# KiCad board ecp5.kicad_pcb (continued)
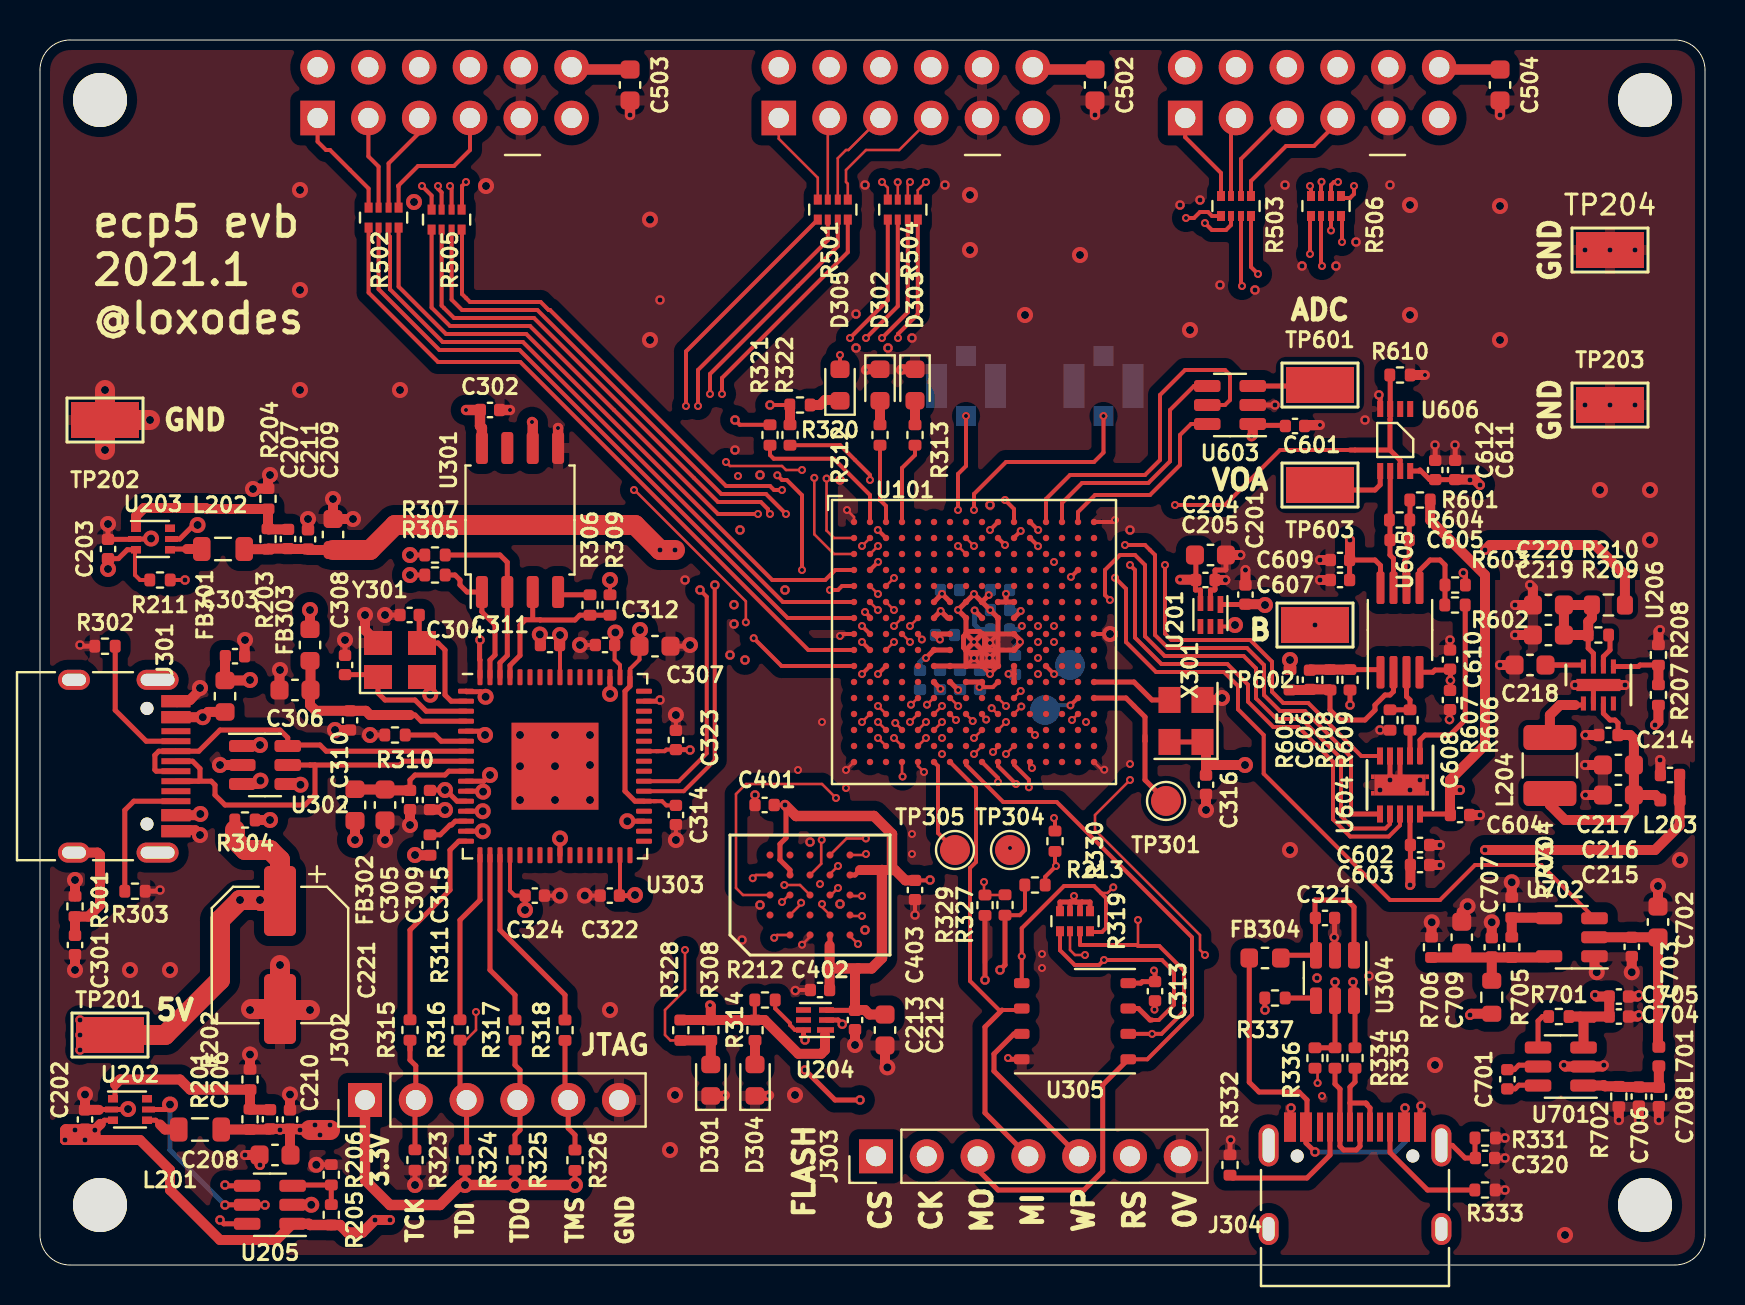
[diagram p0: board, top side]
## Footprints (pads in the part's own frame, mm; a bottom-side part is the same pattern mirrored in y, then rotated) (continued)
SOT-23-5
  rrect 1.325x0.6 smd: 1(-1.137,0.95) 2(-1.137,0) 3(-1.137,-0.95) 4(1.137,-0.95) 5(1.137,0.95)
SOT-23-6
  rrect 1.325x0.6 smd: 1(-1.137,0.95) 2(-1.137,0) 3(-1.137,-0.95) 4(1.137,-0.95) 5(1.137,0) 6(1.137,0.95)
SOT-666
  rect 0.5x0.375 smd: 1(-0.85,0.537) 3(-0.85,-0.537) 4(0.85,-0.537) 6(0.85,0.537)
  rect 0.65x0.3 smd: 2(-0.925,0) 5(0.925,0)
TestPoint_Keystone_5015_Micro-Minature
  rect 3.4x1.8 smd: 1(0,0)
TestPoint_Pad_D1.5mm
  round 1.5 smd: 1(0,0)
TSOT-23-6
  rrect 1.325x0.6 smd: 1(-1.137,0.95) 2(-1.137,0) 3(-1.137,-0.95) 4(1.137,-0.95) 5(1.137,0) 6(1.137,0.95)
U.FL_Molex_MCRF_73412-0110_Vertical
  rect 1x1 smd: 1(0,-1.5) 2(0,1.5)
  rect 1.05x2.2 smd: 2(-1.475,0) 2(1.475,0)
USB_C_Receptacle_HRO_TYPE-C-31-M-12
  round 0.65 hole 0.65 unplated: (-2.89,2.6) (2.89,2.6)
  rect 0.6x1.45 smd: A1(-3.25,4.045) A4(-2.45,4.045) A9(2.45,4.045) A12(3.25,4.045) B1(3.25,4.045) B4(2.45,4.045) B9(-2.45,4.045) B12(-3.25,4.045)
  rect 0.3x1.45 smd: A5(-1.25,4.045) A6(-0.25,4.045) A7(0.25,4.045) A8(1.25,4.045) B5(1.75,4.045) B6(0.75,4.045) B7(-0.75,4.045) B8(-1.75,4.045)
  oval 1x2.1 hole 0.6x1.7: S1(-4.32,3.13) S1(4.32,3.13)
  oval 1x1.6 hole 0.6x1.2: S1(-4.32,-1.05) S1(4.32,-1.05)
VSSOP-8
  rect 0.3x0.8 smd: 1(-0.75,-1.55) 2(-0.25,-1.55) 3(0.25,-1.55) 4(0.75,-1.55) 5(0.75,1.55) 6(0.25,1.55) 7(-0.25,1.55) 8(-0.75,1.55)
WSON-6_1.5x1.5mm_P0.5mm
  rect 0.85x0.28 smd: 1(-0.525,0.5)
  rect 0.75x0.28 smd: 2(-0.575,0) 3(-0.575,-0.5) 4(0.575,-0.5) 5(0.575,0) 6(0.575,0.5)
WSON-8-1EP_6x5mm_P1.27mm_EP3.4x4mm
  rrect 0.775x0.5 smd: 1(-2.663,1.905) 2(-2.663,0.635) 3(-2.663,-0.635) 4(-2.663,-1.905) 5(2.663,-1.905) 6(2.663,-0.635) 7(2.663,0.635) 8(2.663,1.905)

## Nets
1V2EN: R211.2 U203.5 U205.6
3V3EN: R212.2 U201.6 U202.5 U204.6 U205.5
+1V1: C207.1 C209.1 C211.1 C224.1 C225.1 L202.2 R203.2 U101.G6 U101.G7 U101.G9 U101.L8 U101.L9 U101.L10
+1V8: C212.1 C213.1 C401.1 C402.1 C403.1 C404.1 U101.J6 U101.J7 U204.3 U401.B4 U401.D1 U401.E4
+1V8_FT: C307.1 C314.1 C315.1 U303.12 U303.37 U303.49 U303.64
+2V5: C204.1 C205.1 C222.1 C223.1 U101.G11 U101.L7 U201.3
+3V3: C201.1 C206.1 C208.1 C210.1 C214.1 C302.1 C311.1 C312.1 C313.1 C316.1 C317.1 C318.1 C319.1 C322.1 C323.1 C324.1 C501.1 C502.2 C503.2 C504.2 C601.1 C613.2 D305.2 FB302.1 FB303.1 J302.1 J501.6 J501.12 J502.6 J502.12 J503.6 J503.12 L201.2 L203.2 R201.2 R212.1 R213.1 R305.1 R307.1 R308.1 R309.1 R311.2 R314.1 R319.1 R319.2 R319.3 R319.4 R324.2 R325.2 R326.2 R328.1 R330.1 U101.F6 U101.F7 U101.F10 U101.F11 U101.H6 U101.H7 U101.K11 U101.L6 U101.L11 U201.1 U204.1 U301.6 U301.8 U303.20 U303.31 U303.42 U303.50 U303.56 U305.8 U603.1 X301.1 X301.4
+5V: C202.1 C203.1 C221.1 C602.2 C603.2 C611.2 C612.2 C704.2 C705.2 R205.2 R207.1 R211.1 R304.2 R337.2 R701.1 TP201.1 U202.3 U203.3 U205.1 U604.9 U606.8 U701.3
+15V: C607.2 C609.2 R210.2 U605.8
-5V: C608.2 C610.2 R705.2 U605.4
GND: C201.2 C202.2 C203.2 C204.2 C205.2 C208.2 C209.2 C210.2 C211.2 C212.2 C213.2 C214.2 C215.2 C216.2 C217.2 C218.2 C219.2 C220.2 C221.2 C222.2 C223.2 C224.2 C225.2 C301.2 C302.2 C303.2 C304.2 C305.2 C306.2 C307.2 C308.2 C309.2 C310.2 C311.2 C312.2 C313.2 C314.2 C315.2 C316.2 C317.2 C318.2 C319.2 C320.2 C321.2 C322.2 C323.2 C324.2 C401.2 C402.2 C403.2 C404.2 C501.2 C502.1 C503.1 C504.1 C601.2 C602.1 C603.1 C604.1 C607.1 C608.1 C609.1 C610.1 C611.1 C612.1 C613.1 C702.2 C703.2 C704.1 C705.1 C706.1 C707.2 C708.1 C709.2 D301.1 D302.1 D303.1 D304.1 J301.A1 J301.A12 J301.B1 J301.B12 J302.6 J303.7 J304.A1 J304.A12 J304.B1 J304.B12 J501.5 J501.11 J502.5 J502.11 J503.5 J503.11 J601.2 J602.2 R202.1 R204.1 R206.1 R208.2 R301.2 R302.1 R303.1 R310.2 R323.2 R329.1 R331.2 R332.1 R333.1 R603.1 R607.1 R610.2 R702.2 R704.2 R706.2 TP202.1 TP203.1 TP204.1 U101.A1 U101.A16 U101.D2 U101.D15 U101.F8 U101.F9 U101.G8 U101.G10 U101.H1 U101.H8 U101.H9 U101.H10 U101.H11 U101.H16 U101.J8 U101.J9 U101.J10 U101.J11 U101.K6 U101.K7 U101.K8 U101.K9 U101.K10 U101.N2 U101.N10 U101.N15 U101.R10 U101.T1 U101.T5 U101.T12 U101.T16 U201.2 U202.2 U203.2 U204.2 U205.2 U206.2 U206.9 U301.5 U302.2 U303.1 U303.5 U303.10 U303.11 U303.13 U303.15 U303.25 U303.35 U303.47 U303.51 U303.65 U304.2 U305.4 U401.B3 U401.C1 U401.E5 U603.2 U604.3 U604.4 U604.11 U606.4 U701.2 U702.1 X301.2 Y301.2 Y301.4
VSS: C702.1 C703.1 L701.1 U702.2
/bias/ADC_SCK: U101.A14 U603.4
/bias/ADC_SDO: U101.A13 U603.5
/bias/DAC_DIN: U101.A12 U604.8
/bias/DAC_EN: R610.1 U101.A11 U606.3 U606.7
/bias/DAC_SCLK: U101.A10 U604.7
/bias/DAC_VREF: C604.2 R601.2 R605.2 U604.10
/bias/DAC_~{CLR}: U101.B11 U604.5
/bias/DAC_~{SYNC}: U101.B10 U604.6
/bias/SYNTH_VT_CS: U101.A15 U603.6
/bias/VOUTA: R602.2 U604.1
/bias/VOUTB: R606.2 U604.2
/pmod/P1A1: R501.1 U101.K1
/pmod/P1A1x: J501.1 R501.8
/pmod/P1A2: R501.2 U101.J3
/pmod/P1A2x: J501.2 R501.7
/pmod/P1A3: R501.3 U101.F2
/pmod/P1A3x: J501.3 R501.6
/pmod/P1A4: R501.4 U101.E3
/pmod/P1A4x: J501.4 R501.5
/pmod/P1A7: R504.1 U101.K2
/pmod/P1A7x: J501.7 R504.8
/pmod/P1A8: R504.2 U101.K3
/pmod/P1A8x: J501.8 R504.7
/pmod/P1A9: R504.3 U101.E1
/pmod/P1A9x: J501.9 R504.6
/pmod/P1A10: R504.4 U101.F3
/pmod/P1A10x: J501.10 R504.5
/pmod/P1B1: R502.1 U101.J1
/pmod/P1B1x: J502.1 R502.8
/pmod/P1B2: R502.2 U101.G1
/pmod/P1B2x: J502.2 R502.7
/pmod/P1B3: R502.3 U101.F1
/pmod/P1B3x: J502.3 R502.6
/pmod/P1B4: R502.4 U101.D1
/pmod/P1B4x: J502.4 R502.5
/pmod/P1B7: R505.1 U101.J2
/pmod/P1B7x: J502.7 R505.8
/pmod/P1B8: R505.2 U101.H2
/pmod/P1B8x: J502.8 R505.7
/pmod/P1B9: R505.3 U101.G2
/pmod/P1B9x: J502.9 R505.6
/pmod/P1B10: R505.4 U101.E2
/pmod/P1B10x: J502.10 R505.5
/pmod/P2_1: R503.5 U101.C1
/pmod/P2_1x: J503.4 R503.1
/pmod/P2_2: R503.6 U101.B1
/pmod/P2_2x: J503.3 R503.2
/pmod/P2_3: R503.7 U101.H5
/pmod/P2_3x: J503.2 R503.3
/pmod/P2_4: R503.8 U101.G5
/pmod/P2_4x: J503.1 R503.4
/pmod/P2_7: R506.8 U101.C2
/pmod/P2_7x: J503.10 R506.1
/pmod/P2_8: R506.7 U101.B2
/pmod/P2_8x: J503.9 R506.2
/pmod/P2_9: R506.6 U101.H4
/pmod/P2_9x: J503.8 R506.3
/pmod/P2_10: R506.5 U101.G4
/pmod/P2_10x: J503.7 R506.4
/power/PGOOD: R205.1 R206.2 U205.3
/prog/DONE: D301.2 R308.2 R328.2 U101.P9
/prog/FLASH_CS: J303.1 R319.8 U101.N8 U305.1
/prog/FLASH_MISO|IO1: J303.4 U101.T7 U305.2
/prog/FLASH_MOSI|IO0: J303.3 U101.T8 U305.5
/prog/FLASH_SCK: J303.2 R319.7 U101.N9 U305.6
/prog/FLASH_~{HLD}|~{RST}|IO3: J303.6 R319.5 U101.N7 U305.7
/prog/FLASH_~{WP}|IO2: J303.5 R319.6 U101.M7 U305.3
/prog/FT_EECS: R305.2 U301.1 U303.63
/prog/PROGRAMn: R327.1 R329.2 U101.R9
/prog/RXD_UART: R322.1 U101.B3
/prog/TXD_UART: R321.1 U101.A2
/prog/USR_1: R312.1 U101.A3
/prog/USR_2: R313.1 U101.A4
/ram/HRAM_CLK: U101.N5 U401.B2
/ram/HRAM_CLK#: U101.N6 U401.B1
/ram/HRAM_CS: U101.R4 U401.A3
/ram/HRAM_DQ0: U101.P4 U401.D3
/ram/HRAM_DQ1: U101.R3 U401.D2
/ram/HRAM_DQ2: U101.P5 U401.C4
/ram/HRAM_DQ3: U101.T4 U401.D4
/ram/HRAM_DQ4: U101.P6 U401.D5
/ram/HRAM_DQ5: U101.R5 U401.E3
/ram/HRAM_DQ6: U101.M5 U401.E2
/ram/HRAM_DQ7: U101.M6 U401.E1
/ram/HRAM_RST: U101.N3 U401.A4
/ram/HRAM_RWDS: U101.P3 U401.C3
M5V_EN: U101.B12 U702.3
~{FPGA_RESET}: R213.2 R327.2 U205.4
Net-(C206-Pad2): C206.2 R201.1 R202.2 U202.1
Net-(C207-Pad2): C207.2 R203.1 R204.2 U203.1
Net-(C215-Pad1): C215.1 C216.1 C217.1 L203.1 L204.1 U206.3
Net-(C218-Pad1): C218.1 U206.8
Net-(C219-Pad1): C219.1 C220.1 R209.1 R210.1 U206.7
Net-(C301-Pad1): C301.1 J301.S1 R301.1
Net-(C303-Pad1): C303.1 FB301.2 U302.1 U302.3
Net-(C304-Pad1): C304.1 U303.2 Y301.3
Net-(C305-Pad1): C305.1 C309.1 FB302.2 U303.9
Net-(C306-Pad1): C306.1 C310.1 FB303.2 U303.4
Net-(C308-Pad1): C308.1 U303.3 Y301.1
Net-(C320-Pad1): C320.1 J304.S1 R331.1
Net-(C321-Pad1): C321.1 FB304.2 U304.1 U304.3
Net-(C605-Pad1): C605.1 R601.1 R604.2 U605.6
Net-(C605-Pad2): C605.2 R604.1 U605.7 U606.6
Net-(C606-Pad1): C606.1 R605.1 R608.2 U605.2
Net-(C606-Pad2): C606.2 R608.1 R609.2 U605.1
Net-(C701-Pad1): C701.1 U701.6
Net-(C701-Pad2): C701.2 U701.5
Net-(C706-Pad2): C706.2 C708.2 L701.2 R702.1 U701.1
Net-(C707-Pad1): C707.1 C709.1 R703.1 R705.1 R706.1 U702.5
Net-(D302-Pad2): D302.2 R312.2
Net-(D303-Pad2): D303.2 R313.2
Net-(D304-Pad2): D304.2 R314.2
Net-(D305-Pad1): D305.1 R320.1
Net-(FB301-Pad1): FB301.1 J301.A4 J301.A9 J301.B4 J301.B9
Net-(FB304-Pad1): FB304.1 J304.A4 J304.A9 J304.B4 J304.B9
Net-(J301-PadA5): J301.A5 R302.2
Net-(J301-PadA6): J301.A6 J301.B6 U302.5 U303.8
Net-(J301-PadA7): J301.A7 J301.B7 U302.6 U303.7
Net-(J301-PadB5): J301.B5 R303.2
Net-(J302-Pad2): J302.2 R315.1 R323.1 U101.T10
Net-(J302-Pad3): J302.3 R316.1 R324.1 U101.R11
Net-(J302-Pad4): J302.4 R317.1 R325.1 U101.M10
Net-(J302-Pad5): J302.5 R318.1 R326.1 U101.T11
Net-(J304-PadA5): J304.A5 R332.2
Net-(J304-PadA6): J304.A6 J304.B6 R335.2
Net-(J304-PadA7): J304.A7 J304.B7 R334.2
Net-(J304-PadB5): J304.B5 R333.2
Net-(J601-Pad1): J601.1 U101.B8
Net-(J602-Pad1): J602.1 U101.C8
Net-(L201-Pad1): L201.1 U202.4
Net-(L202-Pad1): L202.1 U203.4
Net-(L204-Pad2): L204.2 U206.1
Net-(R207-Pad2): R207.2 R208.1 U206.5
Net-(R209-Pad2): R209.2 U206.6
Net-(R304-Pad1): R304.1 U302.4
Net-(R306-Pad1): R306.1 R309.2 U301.3 U303.61
Net-(R306-Pad2): R306.2 U301.4
Net-(R307-Pad2): R307.2 U301.2 U303.62
Net-(R310-Pad1): R310.1 U303.6
Net-(R311-Pad1): R311.1 U303.14
Net-(R315-Pad2): R315.2 U303.16
Net-(R316-Pad2): R316.2 U303.17
Net-(R317-Pad2): R317.2 U303.18
Net-(R318-Pad2): R318.2 U303.19
Net-(R320-Pad2): R320.2 R322.2 U303.39
Net-(R321-Pad2): R321.2 U303.38
Net-(R330-Pad2): R330.2 U101.P10
Net-(R334-Pad1): R334.1 R336.2 U101.N11 U304.5
Net-(R335-Pad1): R335.1 U101.M11 U304.6
Net-(R336-Pad1): R336.1 U101.P12
Net-(R337-Pad1): R337.1 U304.4
Net-(R602-Pad1): R602.1 R603.2 U605.5
Net-(R606-Pad1): R606.1 R607.2 U605.3
Net-(R609-Pad1): R609.1 TP602.1
Net-(R701-Pad2): R701.2 U701.4
Net-(R703-Pad2): R703.2 R704.1 U702.4
Net-(TP301-Pad1): TP301.1 U101.M16
Net-(TP302-Pad1): TP302.1 U101.M15
Net-(TP303-Pad1): TP303.1 U101.K13
Net-(TP304-Pad1): TP304.1 U101.T9
Net-(TP305-Pad1): TP305.1 U101.T6
Net-(TP601-Pad1): TP601.1 U603.3
Net-(TP603-Pad1): TP603.1 U606.5
Net-(U101-PadL16): U101.L16 X301.3

Pads without a net: J301 A8 B8; J304 A8 B8; U101 A5 A6 A7 A8 A9 B4 B5 B6 B7 B9 B13 B14 B15 B16 C3 C4 C5 C6 C7 C9 C10 C11 C12 C13 C14 C15 C16 D3 D4 D5 D6 D7 D8 D9 D10 D11 D12 D13 D14 D16 E4 E5 E6 E7 E8 E9 E10 E11 E12 E13 E14 E15 E16 F4 F5 F12 F13 F14 F15 F16 G3 G12 G13 G14 G15 G16 H3 H12 H13 H14 H15 J4 J5 J12 J13 J14 J15 J16 K4 K5 K12 K14 K15 K16 L1 L2 L3 L4 L5 L12 L13 L14 L15 M1 M2 M3 M4 M8 M9 M12 M13 M14 N1 N4 N12 N13 N14 N16 P1 P2 P7 P8 P11 P13 P14 P15 P16 R1 R2 R6 R7 R8 R12 R13 R14 R15 R16 T2 T3 T13 T14 T15; U201 4 5; U202 6; U203 6; U204 4 5; U206 4; U301 7; U303 21 22 23 24 26 27 28 29 30 32 33 34 36 40 41 43 44 45 46 48 52 53 54 55 57 58 59 60; U401 A2 A5 B5 C2 C5; U606 1 2

## Via types
v1: diameter 0.48, hole 0.254, Top to Bottom, 151 vias
v2: diameter 0.8, hole 0.4, Top to Bottom, 134 vias
v3: diameter 0.4, hole 0.2, Top to Bottom, 213 vias

## Routing (per net, layer and track width the routed paths; a pad name or vN(x,y) marks a point on that pad's centre or on a via; arc(x,y) is an arc through that point)
1V2EN: length 51.9
  Top w0.2: R211.2 v1(7.25,34.25)
  Top w0.25: v2(7.88,37) 7.69,37 6.99,36.3 6.58,36.3 ; v1(9,2.25) 9.19,2.06 U205.6
  In2.Cu w0.2: v2(7.88,37) 7.88,34.88 v1(7.25,34.25)
  In2.Cu w0.25: v2(7.88,37) 6.38,38.5 3.25,38.5 2.25,37.5 2.25,33.5 3,32.75 3,8.5 3.5,8 3.5,7 8.25,2.25 v1(9,2.25)
3V3EN: length 83.4
  Top w0.2: R212.2 36.76,12.83 37.5,12.09 37.5,12 37.75,11.75 U204.6 ; U201.6 59.68,31.93 v2(59.75,32)
  Top w0.25: v1(9.25,3) 9.26,3.01 U205.5 11.24,3.01 v1(11.25,3) ; v1(41,8.25) 39.75,8.25 v1(38.25,9.75) ; v1(38.25,11.25) 38.17,11.33 U204.6 ; U202.5 6.25,7.78 v2(6.5,8.03)
  In2.Cu w0.25: v1(38.25,11.25) v1(38.25,9.75) ; v1(11.25,3) 12.04,2.21 15.23,2.21 16.29,3.27 35.27,3.27 40.25,8.25 42,8.25 46.68,12.93 46.68,14.68 51.5,19.5 53.05,19.5 57.9,24.35 57.9,30.15 v2(59.75,32)
  Bottom w0.25: v1(9.25,3) 6.5,5.75 v2(6.5,8.03)
+1V1: length 52.4
  Top w0.2: v3(46.97,28.89) 47.64,28.89 U101.L10
  Top w0.25: U101.L8 U101.L9 47.1,29.02 v3(46.97,28.89) ; U101.G6 44.7,32.37 v3(45.04,32.7) 45.39,32.35 U101.G7 ; U101.G9 47.1,32.36 v3(46.73,32.73)
  Top w0.5: L202.2 10.22,35.79 R203.2 11.43,35.82 C207.1 12.42,35.8 C211.1 13.45,35.75 C209.1
  Top w1: v1(31.75,35.75) v1(31,35.75) 29.75,37 17.75,37 16.5,35.75 C209.1
  In3.Cu w0.25: 46.73,32.27 46.75,32.25
  In3.Cu w0.5: 46.75,32.25 46.36,32.25 ; 46.36,32.25 46.21,32.1 45.59,32.1 45.44,32.25 45.44,32.3 v3(45.04,32.7) 44.69,32.7 43.35,34.04 43.35,36.25 42.2,37.4 41.15,37.4 39.5,35.75 35.3,35.75 ; 46.36,32.25 46.05,31.94 46.05,29.81 v3(46.97,28.89) ; v3(46.73,32.73) 46.73,32.27
  In3.Cu w1: v1(31,35.75) 35.3,35.75
  Bottom w0.25: v3(46.73,32.73) 46.73,32.02 46.98,31.77 C224.1
+1V8: length 53
  Top w0.2: v1(44.5,19.25) 44.48,19.23 C403.1 ; C401.1 v1(37.25,23) ; 39.5,15.75 39.5,13.77 C402.1
  Top w0.25: U101.J7 U101.J6 v3(44.3,30.35) ; U401.D1 39.5,16 39.48,15.98 ; U401.E4 40.75,19.5 41,19.75 ; U401.B4 37.5,19.75 37,20.25 37,20.26 37,21.05 37.3,21.35 37.3,22.95 v1(37.25,23) ; C213.1 39.34,12.73 U204.3
  Top w0.5: 39.48,15.98 C402.1 ; C403.1 43.27,19.23 42.75,19.75 41,19.75 ; C212.1 41.47,12.53 41.25,12.75 40.77,12.75 C213.1 40.75,14.66 40.92,14.83
  Top w0.52: 42.1,19.75 42.1,15.35 41.58,14.83 39.48,14.83 ; 42.6,19.75 42.6,21.55 41.7,22.45 37.8,22.45 v1(37.25,23)
  In2.Cu w0.5: v1(37.25,23) 37.25,26.5 35.25,28.5 v1(35.25,30.25)
  In3.Cu w0.5: v1(35.25,30.25) 39.3,30.25 39.4,30.35 v3(44.3,30.35)
  Bottom w0.25: v3(44.3,30.35) 44.2,30.35 44,30.15 C404.1
+1V8_FT: length 34.3
  Top w0.2: C314.1 31.31,22.98 31.11,23.19 30.69,23.19 ; U303.37 30.69,23.19 ; 30.69,23.19 30.81,23.19 ; v2(30,31.75) 29.97,31.72 C307.1 29.97,30.28 29.5,29.8 U303.49 29.5,29.75
  Top w0.25: U303.49 29.5,28.94 29.25,28.69 29.25,23.69 29.75,23.19 U303.37 ; C315.1 19.52,23.75 20.29,23.75 20.85,23.19 U303.12 ; U303.64 22,30.25 21.98,30.27 21.98,31.15 22,31.17 v1(22,31.25)
  In2.Cu w0.25: v1(22,31.25) 22,31 22.25,30.75
  In2.Cu w0.5: v2(20.25,23.75) 20.5,24 20.5,29.75 21.5,30.75 23.5,30.75 24.5,29.75 29.5,29.75 30,30.25 v2(30,31.75)
+2V5: length 20.8
  Top w0.25: U101.G11 49.04,32.69 v3(49.04,32.7) ; U201.3 58.02,33.75 57.77,33.75 57.77,34.23 C205.1 57.79,35.46 C204.1 ; v3(45.91,28.75) 45.51,29.15 U101.L7
  Top w0.5: v3(57,34.27) 57.78,34.27 C205.1
  In3.Cu w0.2: 47.87,28.98 48,29.11 48,30
  In3.Cu w0.25: 47.87,28.98 47.21,28.32 46.34,28.32 v3(45.91,28.75) ; v3(49.04,32.7) 48.99,32.75 48.5,32.75 48,32.25 48,30
  In3.Cu w0.5: v3(57,34.27) 55.33,32.6 49.14,32.6 v3(49.04,32.7)
  Bottom w0.25: v3(49.04,32.7) 48.53,32.7 C223.1
+3V3: length 348.1
  Top w0.2: U303.42 30.81,25.69 ; 30.81,25.69 31.23,25.69 31.31,25.77 C323.1 ; 30.81,25.69 30.94,25.69 ; C324.1 23.74,18.47 23.49,18.72 23.5,18.73 U303.20 ; U303.50 29,30 28.73,30.27 C312.1 28.73,31.59 v2(28.77,31.63) ; D305.2 v3(40,45.5) ; R314.1 35.74,12.26 R212.1 ; 28.99,18.49 C322.1 29,18.5 U303.31 ; R330.1 50.75,20 v3(50.8,19.95) 50.26,19.41 R213.1 ; R309.1 v2(28.5,34.25) ; v2(26,31.5) 25.98,31.48 C311.1 26,30.98 U303.56
  Top w0.25: U201.1 60.26,33.03 C201.1 ; v3(55.7,14.72) 55.75,14.67 C313.1 55.12,14.17 55.05,14.09 U305.8 ; C323.1 32.48,25.77 v1(32.5,25.75) ; U101.F7 45.5,33.16 v3(45.1,33.56) 44.7,33.16 U101.F6 ; U101.L11 48.7,29.55 ; 48.7,29.55 U101.K11 ; 48.7,29.55 48.43,29.55 v3(48.43,29.55) ; R319.2 52,18.05 52.1,18.15 ; R325.2 v2(23.75,4) ; 51.8,18.15 51.5,18.15 ; 51.8,18.15 52.1,18.15 ; 51.8,18.15 51.7,18.25 v3(51.7,18.45) ; 51.5,18.15 R319.3 ; 51.5,18.15 51,18.15 R319.4 ; 48.3,33.15 U101.F11 ; 48.3,33.15 v3(48.3,33.56) ; 48.3,33.15 U101.F10 ; R307.1 v2(18.5,35.5) ; 52.1,18.15 52.5,18.15 R319.1 ; 13.55,6.8 13.5,6.75 ; R324.2 v2(21.25,4) ; R326.2 v2(26.75,4) ; 62,41.98 60.71,41.98 U603.1 ; U101.H7 U101.H6 44.97,31.28 v3(45,31.28) ; X301.4 X301.1 ; v2(29.75,18.5) 29.72,18.47 C322.1 ; v3(45.03,28.81) 44.7,29.13 U101.L6 ; C324.1 24.26,17.76 v2(24.25,17.75) ; R305.1 v2(18.5,34.5)
  Top w0.5: v3(33.5,12.99) 33.54,12.95 R308.1 ; v1(72.25,20.75) 80.75,20.75 81.98,21.98 C214.1 81.98,23.25 L203.2 ; v2(18.75,20.5) 18.76,20.49 R311.2 ; 58.3,25.15 58.45,25 v2(60.25,25) 60.23,24.98 ; 58.3,25.15 58.3,25.98 X301.1 ; 58.3,25.15 C316.1 ; 12.5,5.53 C210.1 12.49,6.81 11.5,6.81 11.47,6.78 R201.2 L201.2 ; R308.1 R314.1 36.23,12.25 37.92,10.56 39.06,10.56 39.25,10.75 39.25,11.5 ; R308.1 R328.1 ; v2(61.25,33) 61.21,33.04 C201.1 ; FB303.1 v2(13.5,32.75) ; U603.1 60.64,41.49 v3(60.58,41.42) ; FB302.1 v2(15.75,21.25)
  Top w0.52: U301.6 24.64,42.12 v3(24.6,42.15) ; J501.12 49.75,59.77 C502.2 ; J502.12 26.69,59.77 C503.2 ; U301.8 22.09,41.85 22,41.95 22,42.73 C302.1 v3(21.3,42.75) ; v2(26.75,4) v2(21.25,4) 21,4 20,3 17.5,3 16.25,4.25 J302.1 ; C210.1 13.55,6.8 ; C504.2 70.08,59.77 J503.12
  Top w1: 13.5,6.75 14.5,6.75
  In2.Cu w1: 34.78,36.78 34.7,36.7 v1(34.7,33.01) 34.76,32.95
  In3.Cu w0.25: v3(55.7,14.72) 55.7,14.72 55.7,14.25 ; 53.7,27.75 52.9,28.55 50.1,28.55 49.1,29.55 v3(48.43,29.55)
  In3.Cu w0.5: 33.1,28.95 33.24,28.81 v3(45.03,28.81) 45.03,31.25 v3(45,31.28) ; v3(33.5,12.99) 33,13.49 33,17.5 ; v3(48.3,33.56) 47.61,34.25 45.79,34.25 v3(45.1,33.56) 44.16,34.5 44.16,36.69 42.3,38.55 39.9,38.55 38.13,36.78 38.07,36.78 38.03,36.75 v1(35,36.75) ; 53.7,27.75 54.7,26.75 58.5,26.75 v2(60.25,25)
  In3.Cu w0.52: v3(21.3,42.75) 21.3,41.55 ; 21.3,41.55 24,41.55 v3(24.6,42.15) ; 21.3,41.55 21.3,32.85 ; v2(28.5,34.25) 28.5,32.85 ; 38.51,55.14 38.51,46.99 v3(40,45.5) ; v2(18.5,35.5) 18.5,32.85
  In3.Cu w1: v1(72.25,20.75) 71.75,20.75 70.25,22.25 62,22.25 ; v3(21.3,42.75) 21.3,46.05 26.5,51.25 26.5,55.5 ; 26.5,55.5 26.86,55.14 49.64,55.14 ; 26.5,55.5 26.5,59.81 J502.12 ; 49.64,55.14 68.89,55.14 69.96,56.21 J503.12 ; 49.64,55.14 J501.12 ; 49.64,55.14 49.64,49.86 56.5,43 59,43 v3(60.58,41.42) 61.25,40.75 v2(61.25,33) 61.25,26 v2(60.25,25) 60.25,24 62,22.25 ; 62,22.25 55.5,15.75 55.5,14.45 55.7,14.25 52.17,14.25 51.35,15.07 51.35,18.1 v3(51.7,18.45) 50.8,19.35 v3(50.8,19.95) ; 33.25,32.75 33.45,32.95 34.76,32.95 v1(34.7,33.01)
  In3.Cu w2: 16.25,18.5 J302.1 14.75,6.75 11.25,6.75
  Bottom w0.25: C501.1 44.99,31.28 v3(45,31.28)
  vias: v1(12,6.75) v1(13,6.75) v1(13.75,7) v1(14,6.5) v1(14.5,7)
+5V: length 226.1
  Top w0.2: U203.3 4.75,35.71 4.75,34.5 5,34.25 R211.1
  Top w0.25: C603.2 C602.2 68.5,21.02 U604.9 ; 77.19,12.24 77.01,12.42 R701.1 ; 77.19,12.24 77.19,10.89 U701.3 ; 77.19,12.24 77.69,12.24 77.94,12.49 78.39,12.49 C704.2 ; 3.03,7.05 3.21,7.24 U202.3 ; C611.2 C612.2 69.48,39.27 69,39.75 68.95,39.7 U606.8 ; v2(3.4,34.8) C203.1 3.92,35.32 4.36,35.76 U203.3 ; C202.1 1.8,6.8 v1(1.75,6.75) ; R337.2 61.24,12.76 v1(61.25,12.75)
  Top w0.5: 2.5,6.25 2.25,6.5 C202.1 ; 2.5,6.25 v1(1.25,6.25) ; 2.5,6.25 5,6.25 6.5,4.75 6.5,3.75 9,1.25 11.82,1.25 U205.1 ; 2.5,6.25 2.77,6.52 2.77,6.8 ; C202.1 v1(2.25,6.25) ; C202.1 2.77,6.8 ; C202.1 1.3,6.8 1.25,6.75 v1(1.25,6.25) ; 2.77,6.8 3.03,7.05 3,7.03 ; v1(72,39) 71.73,39.27 C611.2 ; 77.01,12.42 77.18,12.26 U701.3 ; v1(68.5,19) 68.52,19.02 C603.2 ; v1(1.25,6.25) 1.75,6.25 v1(1.75,6.75) ; v1(16.75,2.25) v1(17.5,2.25) ; R701.1 C704.2 C705.2 77.83,13.42 v1(77.75,13.5) ; v1(80.75,27) 80.92,27.17 R207.1
  Top w0.52: v1(16.75,2.25) 16.12,1.62 15.38,1.62 15,2 R205.2 13.5,2 13.44,2.06 U205.1
  Top w1: 9.75,21.75 9.75,21.25 10.25,20.75 11.5,20.75 12,20.25 C221.1 11.05,18.2 v2(11,18.25) v2(10,18.25) 9,17.25 9,14.25 6.25,11.5 TP201.1
  In2.Cu w0.5: 1.25,10.5 1.25,11.25 1.5,11.5 v1(2,11.5) ; 1.25,10.5 v1(1.25,6.25) ; 1.25,10.5 1.25,10.75 ; v1(2,11.5) v1(2,10.75) ; v1(2,11.5) v1(2,12.25) ; v1(2,11.5) 2,12 ; v1(2,11.5) 2,11 ; 1.25,6.75 v1(1.75,6.75)
  In2.Cu w1: v2(10,18.25) 9.5,17.75 4.75,17.75 4.13,18.37 4.13,34.07 v2(3.4,34.8)
  In3.Cu w0.5: v1(77.75,13.5) 75.25,13.5 74.75,14 ; v1(68.5,19) 68.5,18.76 68.96,18.3 70.54,18.3 71.24,19 71.75,19 72.5,18.25 75.25,18.25 75.5,18.5 ; 75.5,27.25 75.75,27.5 78.5,27.5 79,27 v1(80.75,27)
  In3.Cu w1: 74.75,2.75 74.5,2.5 72.5,2.5 71.5,3.5 59.25,3.5 58.59,4.16 58.59,10.09 v1(61.25,12.75)
  In3.Cu w2: v1(72,39) 74.75,39 76,37.75 76,31.5 75,30.5 75,27.75 75.5,27.25 75.5,17.25 74.5,16.25 74.5,14.25 74.75,14 74.75,2.75 ; v1(16.75,2.25) 58,2.25 59.25,3.5
  vias: v1(2.74,6.74) v1(71.5,39.25)
+15V: length 21
  Top w0.25: U605.8 67.03,34.97 66.75,35.25 C609.2 C607.2
  Top w0.5: v1(72.25,35.75) 72.5,36 77.75,36 79.25,34.5 R210.2 ; v1(65.5,36.25) 65.5,35.27 C609.2
  In3.Cu w0.5: v1(72.25,35.75) 66,35.75 v1(65.5,36.25)
-5V: length 31.3
  Top w0.25: 70.52,28.75 v1(70.52,29.23) 70.52,29.75 69.75,29.75 69.64,29.64 U605.4
  Top w0.5: R705.2 71.56,12.56 v1(71.5,12.5)
  In3.Cu w0.5: v1(70.52,29.23) 70.54,29.25 71.5,29.25 72.75,28 72.75,22.5 73.75,21.5 73.75,20.75 72.75,19.75 71,19.75 70.25,19 69.25,19 69.25,19.75 69,20 68,20 67.5,19.5 67.5,15.75 70.75,12.5 v1(71.5,12.5)
GND: length 163.8
  Top w0.127: U101.N15 v3(51.6,27.25) ; U101.N2 v3(41.1,27.15) ; U401.B3 37.45,18.5 v3(37.1,18.15) ; U101.A1 40.7,37.4 v3(40.35,37.75) ; v3(47.65,25.65) 47.9,25.9 U101.R10 ; U101.T16 53.09,24.76 v3(53.21,24.76) ; v3(41.3,20.55) 41.25,20.5 U401.E5 ; U101.T1 v3(40.3,24.75) ; U401.C1 38.5,16.41 v3(38.1,16.01) ; v3(47.58,27.84) 47.88,27.55 U101.N10
  Top w0.13: v3(44.2,24.65) 43.9,24.95 U101.T5
  Top w0.2: U101.H1 40.1,31.55 v3(40,31.45) ; U101.J10 47.5,31.15 ; 47.5,31.15 U101.H10 ; 47.5,31.15 47.5,30.95 47.2,30.65 ; 47.5,31.15 U101.H9 ; U101.A16 53.65,37.15 v3(53.75,37.25) ; C403.2 v1(43.75,17.5) ; U101.H16 v2(53.5,31.55) ; U101.J8 v3(46.7,30.35) ; v3(46.7,30.35) U101.K8 ; v3(46.7,30.35) 46.98,30.63 ; v3(46.7,30.35) U101.K9 v3(47.5,29.55) U101.K10 ; C324.2 v2(25.99,18.47) ; U101.T12 49.5,24.95 v3(49.6,24.85) ; v3(51.55,34.4) 51.55,34.4 U101.D15 ; C314.2 v2(31.8,21.25) ; C323.2 v2(31.8,27.5) ; C312.2 v2(27,31) ; C401.2 35.61,23 ; v1(37.77,13.72) 37.79,13.75 C402.2 ; U101.D2 v3(41.9,35.15) ; C322.2 v2(27.24,18.47)
  Top w0.25: v1(69.75,41) 69.76,40.99 C612.1 ; v2(22.14,22.69) 22.13,22.69 U303.13 ; v1(67,26.75) 67.01,26.74 R607.1 ; U206.9 77.67,28.75 U206.2 ; v3(47.47,30.35) 47.47,30.08 47.6,29.95 ; v3(47.47,30.35) 47.5,30.35 U101.K10 ; v3(47.47,30.35) 47.47,30.38 U101.J9 ; v3(47.47,30.35) 47.47,30.32 U101.K9 ; v3(47.47,30.35) 47.5,30.35 U101.J10 ; U101.H8 46.7,31.15 v3(46.7,31.15) ; U101.H8 46.43,31.68 46.97,31.68 U101.H9 ; U101.H8 46.18,31.43 46.18,30.87 U101.J8 ; U101.H8 U101.G8 45.9,32.75 v3(45.9,32.75) ; v1(70.47,27.27) 70.5,27.3 C608.1 ; U101.J10 U101.J11 49,31.05 v3(49,31.15) 49,31.25 U101.H11 U101.H10 ; U101.J10 U101.H10 ; U101.J10 U101.J9 ; U101.J10 U101.K10 ; v1(6,18.75) 5.94,18.69 R303.1 ; U305.4 48.47,10.28 v3(48.4,10.35) ; v1(2,31) 2.06,30.94 R302.1 ; v1(69.05,7.95) 69,7.9 J304.A12 ; U101.K9 47.6,29.95 ; U101.K9 U101.K8 ; U101.K9 U101.J9 ; C204.2 59.3,34.78 59.27,34.75 58.77,34.75 58.75,34.73 C205.2 58.75,33.78 58.72,33.75 58.52,33.75 U201.2 ; U101.J9 47.23,30.88 47.23,31.42 U101.H9 ; U101.J9 46.98,30.63 46.42,30.63 U101.J8 ; U101.J9 46.7,31.15 v3(46.7,31.15) ; U603.2 v1(61.75,43) ; U303.10 22.19,24.19 v2(22.5,24.5) ; C313.2 55.75,12.79 v3(55.72,12.77) ; v3(46.7,31.15) U101.H9 ; v3(46.7,31.15) U101.J8 ; v2(28.5,28.55) 28.5,28.56 U303.51 ; v2(26,21.33) 26,21.32 U303.25 ; C320.2 v1(73.25,5.35) ; v2(22.25,26.5) 22.06,26.69 U303.5 ; v3(45.9,32.75) U101.F8 v3(46.7,33.55) U101.F9 ; v3(45.9,32.75) 46,32.85 ; U101.F9 47.11,33.15 v3(47.51,32.74) 47.9,32.36 U101.G10 U101.H10 ; U101.F9 47.1,33.16 v3(47.44,33.5) ; R332.1 59.5,6.22 v1(59.53,6.25) ; C308.2 v2(15.25,31.25) ; C307.2 32.44,30.94 v2(32.5,31) ; 47.6,29.95 U101.K10 ; R333.1 v1(73.25,3.75) ; C401.2 v1(35.75,23.5) ; R323.2 v2(18.75,4) ; C610.1 v1(70.5,31.25) ; v2(22.15,23.67) 22.13,23.69 U303.11 ; v1(40.11,12.04) 39.9,12.25 U204.2 ; U205.2 v2(13.56,3.01) ; U101.K8 U101.J8 ; U101.K8 U101.K7 U101.K6 ; U303.1 21.33,28.66 22.03,28.66 v2(22.28,28.41) ; v2(22.14,21.69) 22.13,21.69 U303.15 ; v2(3.4,37.05) C203.2 4.7,36.28 U203.2 5.53,36.3 v2(5.55,36.32) ; U303.47 30.94,28.19 v1(31,28.25) ; v2(24.99,31.53) 25.02,31.5 C311.2 ; U304.2 64.75,16.34 v1(64.71,16.38) 64.73,16.4 C321.2 ; v2(29.36,22.19) 29.37,22.19 U303.35 ; v1(62.55,7.85) 62.5,7.8 J304.A1 ; v1(66.94,43.5) 67.01,43.44 U606.4 ; U101.H9 U101.H10 ; v2(4.4,7.8) 4.38,7.78 U202.2 2.97,7.78 2.95,7.75 ; U604.4 67.5,24.5 U604.11 U604.3 ; R331.2 v1(73.25,6.35) ; R329.1 v1(47.25,14.25) ; R603.1 71.27,34.5 v1(71.17,34.61) ; v1(70.75,41) 70.76,40.99 C611.1 ; R310.2 v2(16.5,26.5) ; C304.2 v2(17.25,32.5) ; R206.1 13.82,5.02 v2(13.81,5.01)
  Top w0.5: R704.2 v2(73.59,19.14) ; C217.2 v1(77.27,26.5) ; X301.2 59,28.25 v2(59.1,28.35) ; v3(41.29,44.75) 41.33,44.79 D302.1 ; v2(69.59,17.14) 69.58,17.13 R706.2 ; v2(14.65,38.3) C209.2 v2(15.65,37.3) ; C309.2 v2(18.5,22) ; C212.2 42.25,10 v2(42.37,9.88) ; R702.2 v1(78.94,7.24) ; C211.2 v2(13.4,37.3) ; v2(2.25,8.53) 2.25,7.75 2.95,7.75 ; C204.2 v1(60.02,35.5) ; R301.2 v2(1.75,19.25) ; 6.84,28.14 J301.A1 6.85,28.25 7.5,28.25 8,28.75 v2(8,28.85) ; C316.2 v2(58.3,22.75) ; v2(16.25,32.5) 16.25,31.75 Y301.4 ; C604.1 v1(72,22.5) ; C213.2 v2(40.75,11) ; v1(74.5,34) 74.65,33.86 74.65,33 v1(73.75,33) ; C705.1 79.87,13.42 v1(79.94,13.49) ; v2(77.84,14.64) 77.72,14.75 U702.1 ; Y301.2 19.51,28.99 v2(19.51,28.51) ; 63.4,42 v3(64,42) ; C303.2 10.23,31.23 v2(10.25,31.25) ; v1(81,25.25) 81.02,25.23 C214.2 ; C607.1 v1(64,34.25) ; U302.2 v2(9,25) ; v2(71.38,17.94) 71.09,17.65 C709.2 ; v2(10.65,38.8) 10.67,38.82 R204.1 11.4,39.55 11.45,39.55 v2(11.5,39.5) ; J301.A12 6.84,21.74 7.76,21.74 v2(8,21.5) ; C703.2 v2(79.59,14.64) ; C706.1 v1(79.94,7.24) ; 36.46,8.49 v3(36.42,8.45) D304.1 ; v1(76.75,29) U206.9 v1(79.25,29) ; v2(20.25,22.75) 20.23,22.77 C315.2 ; v1(76.19,9.99) 76.26,9.92 U701.2 78.12,9.92 v1(78.19,9.99) ; C603.1 v1(70,20) ; v1(11,5) 10.97,5.03 C208.2 v1(10.25,5.5) ; C707.2 v2(72.59,17.14) ; C702.2 v2(80.9,18.95) ; C215.2 v1(77.27,23.5) ; 74.65,31.5 v1(73.75,31.5) ; C216.2 v1(77.25,25) ; C301.2 v2(1.75,14.75) ; C201.2 v1(60.27,34.75) ; v3(34.25,8.49) 34.21,8.45 D301.1 ; C205.2 v1(59.27,34.25) ; D303.1 43.08,44.79 v3(43.04,44.75) ; v1(81,31.75) 80.92,31.67 R208.2 ; 12.5,7.75 v2(12.5,8.53) ; v1(79.94,12.49) 79.87,12.42 C704.1 ; C609.1 v1(64,35.25) ; C218.2 v1(73,30) ; C305.2 v2(17.25,21.25) ; C708.1 v1(80.94,7.24) ; v2(12,29.75) 11.97,29.72 C306.2 ; R610.2 v3(69.25,44.5) ; R202.1 v2(10.5,10.53) ; C602.1 v1(70,21) ; C310.2 v2(14.75,26.75)
  Top w0.52: U301.5 25.91,41.84 v3(25.9,41.85) ; C503.1 v1(29.5,57.5) ; C302.2 v3(23.5,42.75) ; C504.1 v1(73,57.5) ; C502.1 v1(52.75,57.5)
  Top w1: TP202.1 v2(3.25,40.75) ; TP202.1 v2(3.25,43.75) ; TP202.1 v2(5.5,42.25) ; C221.2 10.55,12.8 ; C221.2 12.05,12.75 v2(13.5,12.75) ; C221.2 v2(12,15)
  Bottom w0.25: C224.2 48.91,31.77 v3(49.09,31.95) ; v3(49,31.15) 48.75,30.9 C317.2
  vias: v1(31,48.25) v1(32.25,34.25) v1(34.5,30.5) v1(34.75,40.75) v1(34.7,32.05) v1(35.1,16.25) v1(36,39.5) v1(36,18) v1(37.25,33.75) v1(38.5,21.15) v1(40,39.25) v1(40,18.05) v1(40.8,47.55) v1(40.8,45.85) v1(41.25,54) v1(41.25,16.75) v1(42.4,45.85) v1(43.6,46.35) v1(45.25,54) v1(47.5,38) v1(54.5,36.75) v1(57,53) v1(58,53.25) v1(59,49) v1(60.75,48.75) v1(62.25,54) v1(63.1,49.95) v1(63.85,14.35) v1(64.8,49.95) v1(65.8,51.15) v1(66.25,42.25) v1(66.45,14.45) v1(67,23.75) v1(67.5,54) v1(67.5,24.25) v1(68.5,23.75) v1(69,24.25) v1(77.25,50.75) v1(77.25,43) v1(78.5,50.75) v1(78.5,43) v1(79.75,50.75) v1(79.75,43) v2(4.5,14.75) v2(6.5,14.75) v2(10.5,12.75) v2(13,53.75) v2(13,48.75) v2(13,43.75) v2(18,43.75) v2(18.7,53.15) v2(22.3,53.95) v2(24,26.5) v2(24,24.94) v2(24,23.25) v2(25.75,26.5) v2(25.75,24.94) v2(25.75,23.25) v2(27.5,26.5) v2(27.5,25) v2(27.5,23.25) v2(28.5,12.75) v2(30.5,52.27) v2(30.5,46.25) v2(31.5,5.75) v2(31.75,8.5) v2(37.75,8.5) v2(46.5,53.5) v2(46.5,50.75) v2(49.25,47.5) v2(52,50.5) v2(57.5,46.75) v2(62.5,20.75) v2(68.5,53) v2(68.5,47.5) v2(69.75,10) v2(73,52.95) v2(73,46.25) v2(76.25,1.5) v2(78,38.75) v2(80.5,38.75) v2(80.5,36.25) v2(82,20.25) v3(34.9,39.45) v3(37.9,24.75) v3(39,19.05) v3(39.1,27.15) v3(40.3,23.85) v3(43.6,21.55) v3(43.6,20.55) v3(45.1,26.35) v3(45.1,25.55) v3(47.5,31.1) v3(49.9,31.95) v3(49.9,31.15) v3(49.9,30.35) v3(49.9,29.55) v3(50.1,15.55) v3(50.1,14.85) v3(50.7,35.15) v3(50.7,31.95) v3(50.7,31.15) v3(52.3,27.15) v3(54.5,25.05) v3(64.1,8.45)
VSS: length 8.6
  Top w0.5: U702.2 C703.1 80.86,16.39 ; L701.1 80.9,10.95 C702.1
/bias/ADC_SCK: length 12.1
  Top w0.2: U101.A14 51.1,38.1 52.1,39.1 55.42,39.1 56.5,40.18 56.5,42.75 57.7,43.95 U603.4
/bias/ADC_SDO: length 17.5
  Top w0.2: U101.A13 50.3,38.3 51.5,39.5 55.25,39.5 56,40.25 56,43.5 57.25,44.75 59.25,44.75 59.5,44.5 59.5,43.25 59.25,43 U603.5
/bias/DAC_DIN: length 30
  Top w0.2: U604.8 68,21.99 67.44,21.42 65.51,21.42 64.65,22.28 64.65,25.17 62.92,26.9 61.67,26.9 60.4,28.17 60.4,29.02 59.37,30.05 56.07,30.05 54.75,31.37 54.75,34.75 v3(54.5,35) ; v3(49.91,36.75) 49.9,36.75 U101.A12
  In2.Cu w0.2: v3(49.91,36.75) 50.5,36.75 52.25,35 v3(54.5,35)
/bias/DAC_EN: length 27.5
  Top w0.2: v3(56.75,38) 59.25,38 62,40.75 65.75,40.75 ; v3(48.25,38.25) 48.7,37.8 U101.A11
  Top w0.25: 67.5,40.75 65.5,40.75 ; 67.5,40.75 67.5,42.28 67.51,42.29 U606.3 67.51,44.5 ; 67.5,40.75 68.01,40.24 U606.7
  In2.Cu w0.2: v3(48.25,38.25) 48.5,38.5 50.25,38.5 51,37.75 56.5,37.75 v3(56.75,38)
/bias/DAC_SCLK: length 35.5
  Top w0.2: U604.7 67.5,22.05 67.27,21.82 65.67,21.82 65.05,22.45 65.05,25.33 63.08,27.3 61.83,27.3 60.8,28.33 60.8,29.83 60.18,30.45 56.23,30.45 55.25,31.43 55.25,35 54.75,35.5 54,35.5 53.25,34.75 53.25,33.5 v3(53.5,33.25) ; v3(47.5,36.75) U101.A10
  In2.Cu w0.2: v3(53.5,33.25) 50.25,33.25 47.5,36 v3(47.5,36.75)
